# Altium PCB novena_evt1_a.PcbDoc (part 10 of 12) (continued)
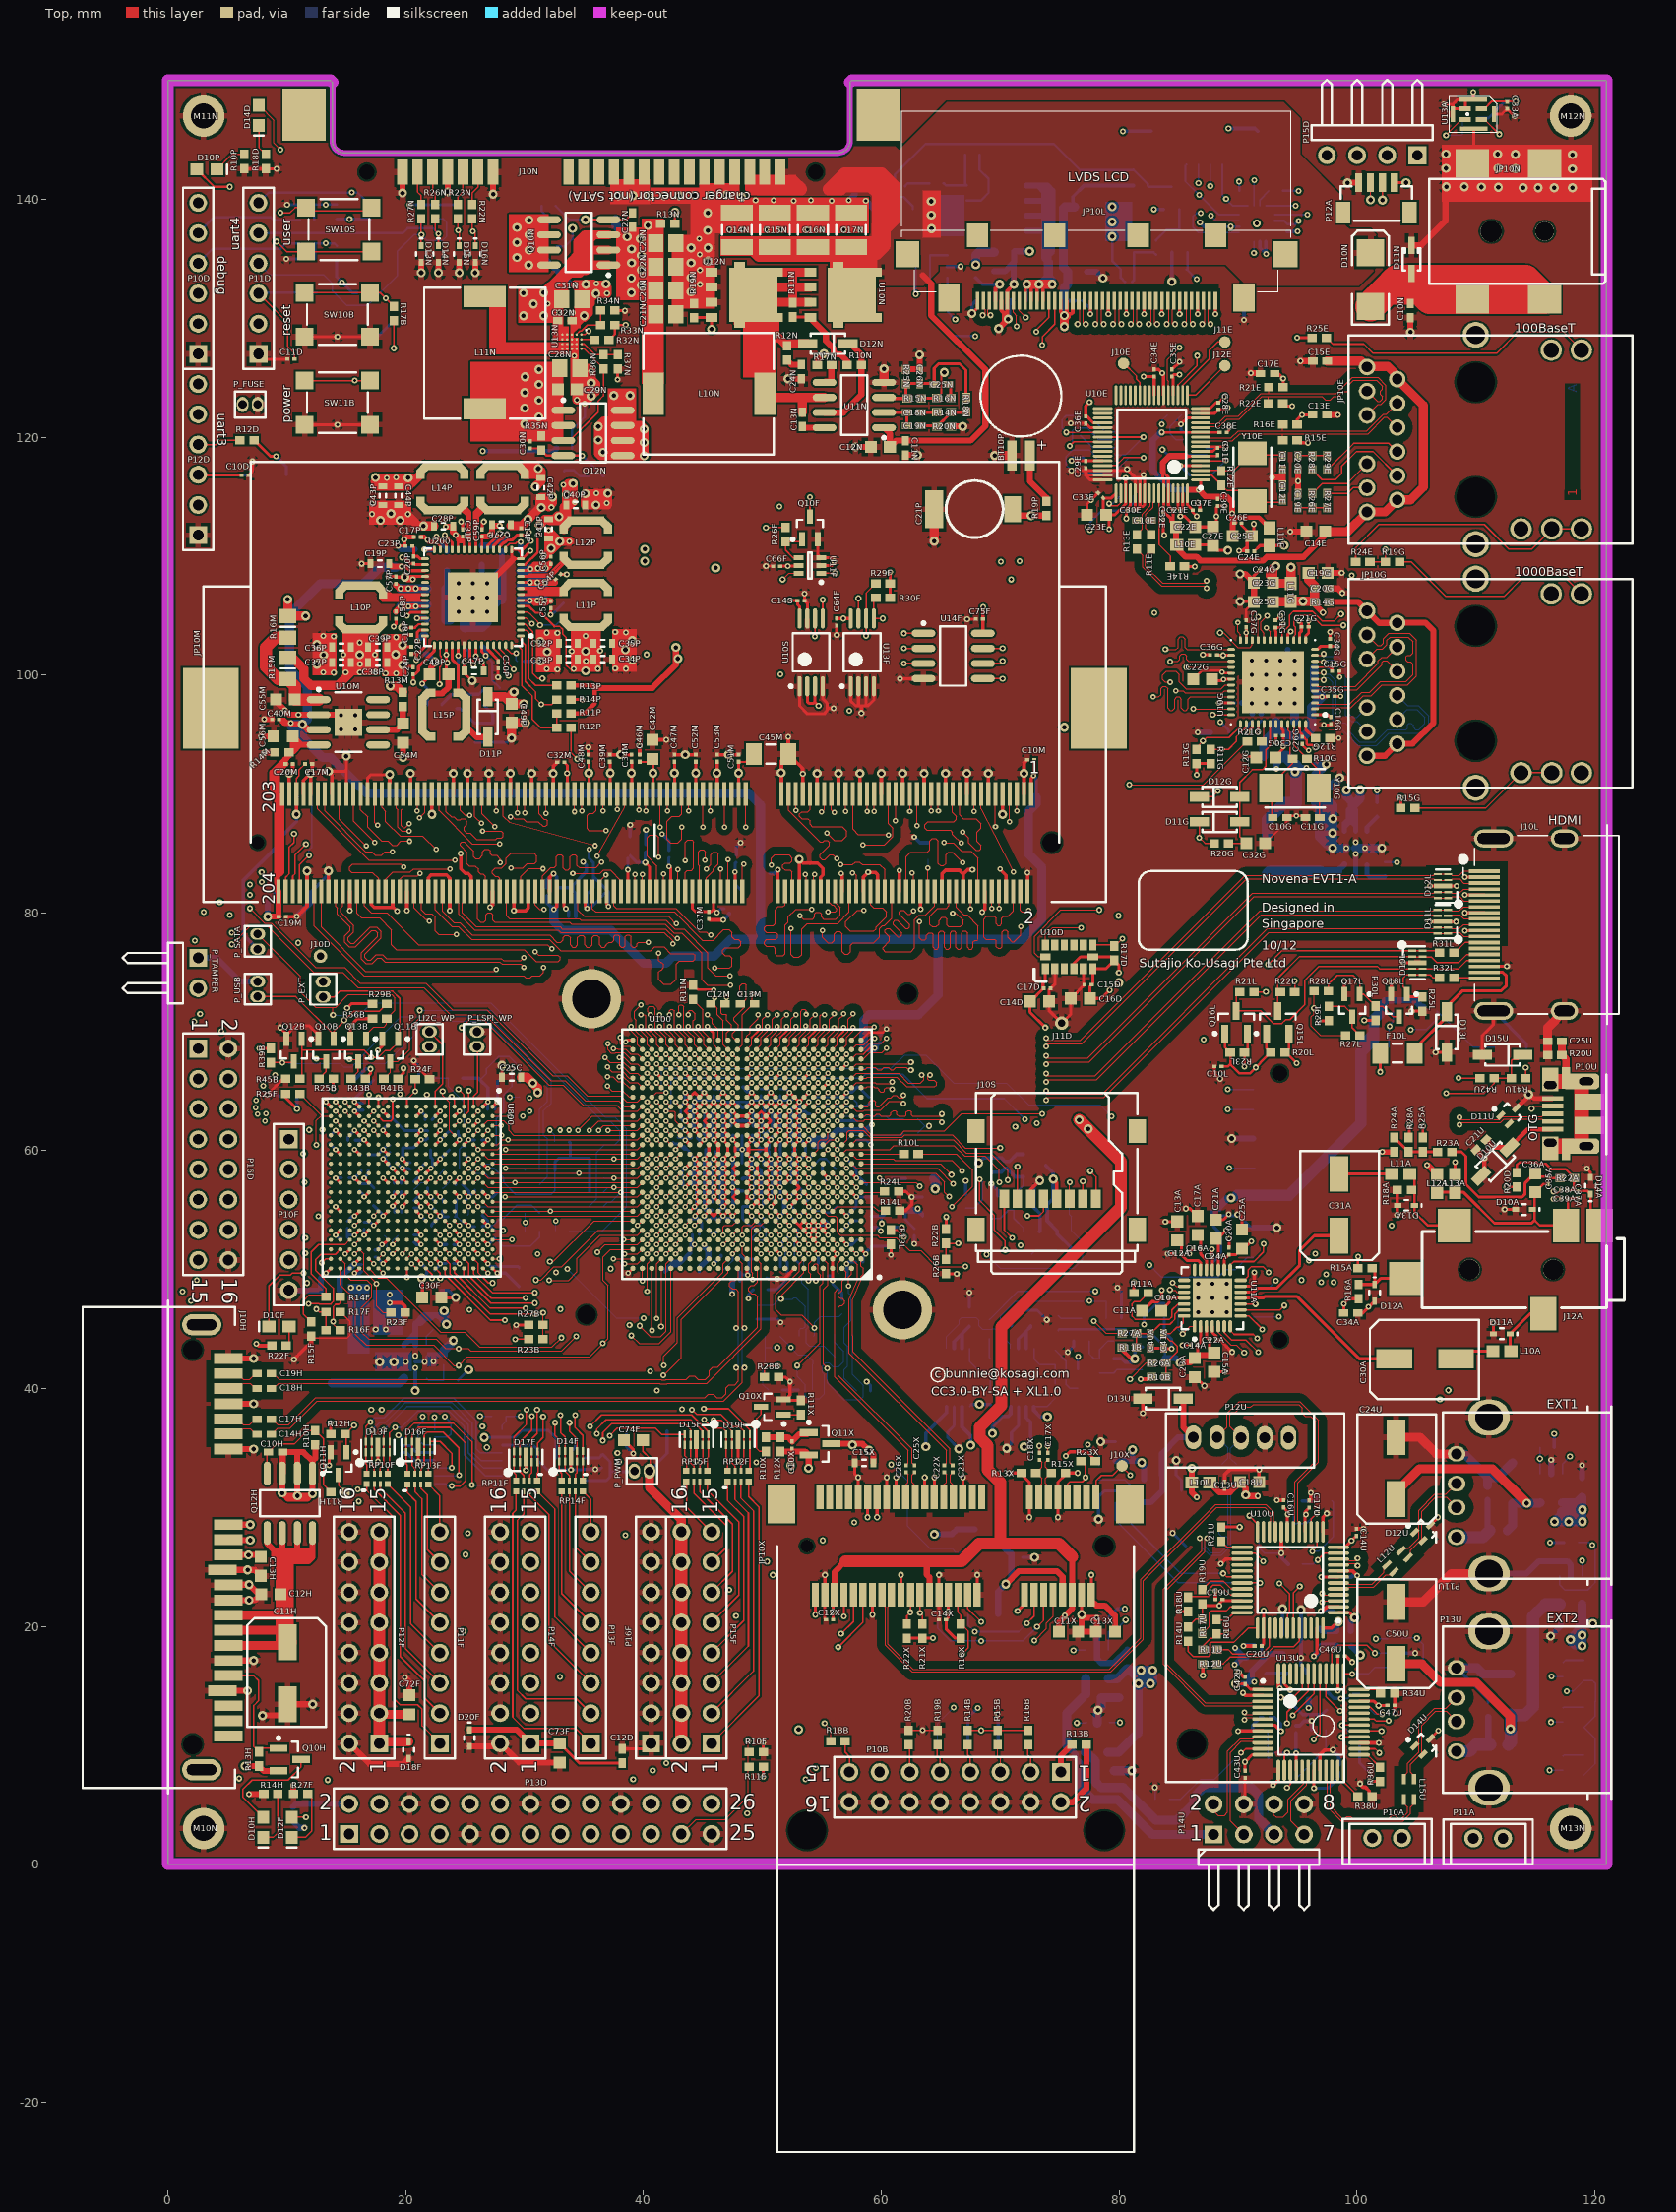
[diagram p0: Top view]
## Nets (pads, with @x,y where several pads share a name; then routed paths per layer and width w, separated by ;. In a path a pad name is that pad's centre, name@x,y a point inside that pad or via, vN(x,y) a via of type N, cw(c..) or ccw(c..) an arc to the next point about the centre after c; other vN are vias at no path point) (continued)
  Bot w0.203: v1(77.55,112.2) 77.55,112.825 78.525,113.8 80.55,113.8 81.3,114.55 R10E.1@81.3,115.05
  Bot w0.254: U15F.3@35,32.25 36.875,32.25 37.2,32.575 37.2,33 ; U15F.1@35,34.15 36.25,34.15 36.562,34.462 37.2,33.825 37.2,33 ; P_PWM.2@39.23,33.05 39.18,33 37.2,33
  Bot w0.305: U12A.6@66.783,38.474 66.783,36.767 C27A.2@67.2,36.35 67.525,36.025 v3(67.525,35.225) ; v3(72.025,35.1) 72.55,35.625 C18A.2@72.55,36.3 72.55,37.175 72.183,37.542 U10A.6@72.183,38.474
  Bot w0.381: U11G.4@98.95,86.85 98.95,87.175 ; 99.85,88.375 99.9,88.325 ; U11G.5@99.9,86.85 99.9,87.25 ; 98.95,87.175 99.4,87.625 99.4,87.75 ; 98.95,87.175 98.95,87.55 99.275,87.875 ; 99.275,87.875 99.275,88.675 C29G.1@99.6,89 ; 99.275,87.875 99.4,87.75 ; 99.4,87.75 99.9,87.25 ; C29G.1@99.6,89 99.6,87.875 99.9,87.575 ; C29G.1@99.6,89 99.9,88.7 99.9,88.325 ; 99.9,87.25 99.9,87.575 ; 99.9,87.575 99.9,88.325
  Bot w0.508: C13D.1@10.5,4.8 10.78,5.08 P13D.2@15.24,5.08 ; U10F.4@19.85,43.65 20.275,44.075 ; U10F.5@20.8,43.65 20.8,44.075 ; v3@23.25,45.6 23,45.85 ; v3(23.425,45.4) 23.425,46.325 v3(23.225,46.525) ; C26U.1@79.7,33.925 81.1,33.925 ; v3(81.125,34.85) 81.1,34.825 81.1,33.925 ; U12U.4@82.1,32.325 82.1,33.525 81.7,33.925 81.1,33.925 ; v1(95.95,13.125) R28U.1@95.95,13.85 ; R10U.1@99.525,18.3 99.575,18.3 v3(100.3,17.575) ; 20.275,44.075 20.8,44.075 ; 20.275,44.075 20.8,44.6 ; 20.8,44.075 20.8,44.6 ; 20.8,44.6 20.8,45.45 C65F.1@20.85,45.5 ; C65F.1@20.85,45.5 21.5,46.15 21.9,46.15 ; C65F.1@20.85,45.5 21.25,45.5 21.663,45.913 ; 21.663,45.913 22.063,45.913 R20F.2@22.3,46.15 ; 21.663,45.913 21.9,46.15 ; 21.9,46.15 R20F.2@22.3,46.15 ; R20F.2@22.3,46.15 22.7,46.15 ; 22.7,46.15 22.85,46.15 v3(23.225,46.525) ; 22.7,46.15 23,45.85 ; 23,45.85 23.225,46.075 v3(23.225,46.525)
  Bot w0.762: v3(67.95,134.5) U10L.4@67.95,135.3 68.2,135.55 C15L.1@69.5,135.55 ; U16U.4@79.05,9.4 79.95,9.4 81.6,11.05 C55U.1@81.6,14 81.6,15.65 C56U.1@80.95,16.3 ; U15U.4@79.1,15.6 79.85,15.6 C56U.1@80.7,16.45 ; v3(99.125,90.325) 99.125,89.8 99.6,89.325 C29G.1@99.6,89 99.65,89 100.275,89.625 v3(100.275,90.35) ; U11U.4@117.3,30.4 118.5,30.4 C22U.1@118.95,30.85 v3@118.95,29.825 ; v3@117.55,29.05 117.675,29.175 117.675,29.625 ; v3@117.8,28.775 v3(117.825,28.8) ; 118.5,18.875 v3@118.95,18.425 ; 118.55,29.225 118.5,29.275 118.5,29.325 ; U14U.4@118.95,21.85 C48U.1@118.95,20.225 ; v3(119.85,20.225) C48U.1@118.95,20.225 ; C56U.1@80.7,16.45 80.8,16.45 C56U.1@80.95,16.3 ; C56U.1@80.7,16.45 80.85,16.3 C56U.1@80.95,16.3 ; C56U.1@80.95,16.3 v3(81.85,16.3) ; v3@81.85,15.975 v3(82.65,15.175) ; v3@81.85,15.975 81.85,15.4 v3(81.625,15.175) v3(82.65,15.175) ; v3@81.85,15.975 v3(81.85,16.3) ; v3(81.85,16.3) v3(82.825,16.3) 82.825,15.35 v3(82.65,15.175) ; 117.675,29.625 117.675,29.95 118.075,29.95 118.1,29.975 118.1,29.7 117.875,29.475 117.725,29.625 117.675,29.625 ; 117.675,29.625 117.2,29.625 117.2,29.375 v3(116.625,28.8) v3(117.825,28.8) ; v3(117.825,28.8) v3@117.975,28.8 ; v3@117.975,28.8 v3(118.975,28.8) 118.95,28.825 v3@118.95,29.775 ; v3@117.975,28.8 118.5,29.325 ; 118.5,29.325 v3@118.95,29.775 ; 118.5,29.325 118.5,30.275 v3@118.95,29.825 ; v3@118.95,18.425 v3(118.95,18.35) 118.85,18.45 118.325,18.45 118.1,18.675 118.1,19.075 118.775,19.75 C48U.1@118.775,20.225 C48U.1@118.95,20.225 ; v3@118.95,18.425 C48U.1@118.95,20.225 ; v3@118.95,29.775 v3(118.975,29.8) v3@118.95,29.825 ; v3@118.95,29.775 v3@118.95,29.825
  other v3: 117.975,18.875 118.95,19.25 81.9,33.775 30.35,134.475 29.35,135.1 30.375,135.725 29.35,136.375 30.375,137.025 29.35,137.625 30.375,138.25
P5.0V_KBD: C52U.1 P14U.5 U16U.5 | length 23.5
  Bot w0.762: U16U.5@77.15,9.4 77.275,9.4 78,8.675 C52U.1@78,7.85 78,6.925 78.475,6.45 80.35,6.45 83.1,3.7 84.875,3.7 86.3,5.125 86.3,5.65 87.075,6.425 91.15,6.425 91.75,5.825 91.75,3.78 P14U.5@93.03,2.5
P5.0V_MOUSE: C51U.1 P14U.1 U15U.5 | length 23.1
  Bot w0.508: 75.925,9.65 76.325,9.25 76.325,8.925 76.7,8.55 76.7,8.05
  Bot w0.762: 75.925,9.65 75.6,9.975 75.6,12.7 C51U.1@76.9,14 77.2,14.3 U15U.5@77.2,15.6 ; 76.7,8.05 76.7,6.525 77.8,5.425 79.875,5.425 82.8,2.5 P14U.1@87.95,2.5
P5.0V_SATA: C11H.1 C12H.1 J10H.7 J10H.8 J10H.9 Q12H.5 Q12H.6 Q12H.7 Q12H.8 | length 40.6
  Top w0.508: Q12H.5@8.345,27.85 8.345,26.98 8.95,26.375 ; Q12H.6@9.615,27.85 9.615,26.375 ; Q12H.7@10.885,27.85 10.885,26.375 ; Q12H.8@12.155,27.85 12.155,26.33 ; 8.95,26.375 8.95,25.975 9.45,25.475 9.825,25.475 11.825,25.475 12.155,25.805 12.155,26.33 ; 8.95,26.375 9.45,25.875 ; 8.95,26.375 9.615,26.375 ; 9.45,25.875 9.615,26.04 9.615,26.375 ; 9.45,25.875 9.825,25.875 10.8,25.875 ; 9.615,26.375 10.885,26.375 ; 10.8,25.875 10.885,25.96 10.885,26.375 ; 10.8,25.875 11.7,25.875 12.155,26.33 ; 10.885,26.375 12.11,26.375 12.155,26.33
  Top w0.762: J10H.7@5.075,18.395 9.795,18.395 C11H.1@10.05,18.65 ; J10H.8@5.075,19.665 9.74,19.665 C11H.1@9.825,19.75 ; J10H.9@5.075,20.935 9.76,20.935 9.825,21
  Top w1.524: 9.825,25.875 9.825,25.475 9.825,21 9.825,19.75 9.825,18.875 C11H.1@10.05,18.65
P5.0V_SWBST: C49P.1 D11P.2 R25U.2 U200.44 | length 151
  Top w0.127: v1(22.85,99.225) 22.85,100.65 23.075,100.875 23.075,101.325 22.981,101.419 22.981,101.569 22.9,101.65 U200.44@22.9,102.5
  Top w0.762: D11P.2@26.9,98.175 28.3,98.175 C49P.1@28.9,97.575 ; v3@29.1,98.6 v3(29.1,98.575) 28.9,98.375 C49P.1@28.9,97.575 ; v3(29.925,97.575) C49P.1@28.9,97.575
  L3 w0.127: v1(22.85,99.225) 24.5,97.575 v3(29.925,97.575)
  L3 w0.762: v3(29.1,98.575) 29.45,98.925 39.025,98.925 41.225,101.125 41.225,102.825 42.125,103.725 43.2,103.725 44.625,102.3 44.625,100.075 51.3,93.4 70.2,93.4 72.4,95.6 v3(75.4,95.6)
  L4 w0.762: v3(75.4,95.6) 76.075,95.6 80.075,91.6 81.45,91.6 82.225,90.825 82.225,75.3 81.075,74.15 v3@80.025,74.15
  L7 w0.508: v2@48.925,47.55 50.175,47.55 50.4,47.775 50.925,47.775 52.95,49.8 58.55,49.8 59.2,50.45 62.85,50.45 68.65,56.25 70.85,56.25 71.375,56.775 71.375,57.8 70.65,58.525 70.65,59.025 71.1,59.475 77.45,59.475 79.985,62.01 v3(79.985,74.125)
  Bot w0.254: v2(48.825,47.55) 48.825,47.9 R25U.2@49.25,48.325
P5.0V_USBEXT1: C23U.1 L11U.2 P11U.1 | length 5.6
  Bot w0.508: C23U.1@111,30.65 111,28.2 L11U.2@111.15,28.05
  Bot w1.016: P11U.1@108.4,27.5 110.6,27.5 L11U.2@111.15,28.05
P5.0V_USBEXT2: C49U.1 L14U.2 P13U.1 | length 5.5
  Bot w0.508: C49U.1@111.05,12.4 111.05,10.25 L14U.2@111.25,10.05
  Bot w1.016: P13U.1@108.4,9.5 109.45,9.5 110,10.05 L14U.2@111.25,10.05
P5.0V_WIFI: C29U.1 C30U.1 D13U.1 P12U.1 U12U.5 | length 11.9
  Top w0.508: D13U.1@85.4,39.15 85.4,36.75 P12U.1@86.25,35.9
  Bot w0.508: U12U.5@82.1,30.425 82.65,30.425 C29U.1@83.65,31.425 83.65,32.675 C30U.1@83.6,32.725 83.6,34.525 84.975,35.9 P12U.1@86.25,35.9
PCIE_CLKREQ_N: JP10X.7 R23X.1 U100.U22 | length 82.8
  Top w0.102: v2(41.1,63.3) U100.U22@41.5,62.9
  Top w0.127: JP10X.7@75.655,30.85 75.655,31.955 75.85,32.15 76.9,32.15 77.175,32.425 77.175,33.5 R23X.1@76.8,33.875
  L7 w0.102: v1(40,45.925) 38.801,45.925 38.125,45.249 38.125,45 37.45,44.325 37.45,39.35 39.4,37.4 39.4,36.2 43.175,32.425 56.025,32.425 56.625,33.025 61.8,33.025 62.425,33.65 72.25,33.65 73.5,32.4 76.7,32.4 76.825,32.525 v1(77.175,32.525)
  L8 w0.102: v1(33.6,50.05) 33.6,51.35 36.85,54.6 36.85,59.425 38,60.575 38,61.325 39.575,62.9 40.7,62.9 v2(41.1,63.3)
  Bot w0.102: v1(33.6,50.05) 37.725,45.925 v1(40,45.925)
PCIE_PWRON: Q10X.1 R11X.1 | length 1.5
  Top w0.127: Q10X.1@51.8,37.8 R11X.1@53.25,37.8
PCIE_REFCLK_N: C17X.2 U100.C7 | length 34.3
  Top w0.083: U100.C7@53.5,51.7 v2(53.9,51.3) ; C17X.2@74,34.6 v1(74,35.175)
  L3 w0.089: v2(53.9,51.3) 53.9,50.9 54.075,50.725 54.075,50.45 53.925,50.3 53.65,50.3 53.5,50.45 53.275,50.45 52.7,49.875 52.7,49.375 52.925,49.15 52.925,48.7 52.7,48.475 52.7,45.7 60.925,37.475 72.725,37.475 73.825,36.375 v1@73.825,35.175
PCIE_REFCLK_P: C18X.2 U100.D7 | length 34.4
  Top w0.083: U100.D7@53.5,52.5 v2(53.9,52.1) ; C18X.2@73.3,34.6 v1(73.3,35.175)
  L3 w0.089: 53.5,51.15 53.5,51.7 v2(53.9,52.1) ; 53.502,51.148 52.366,50.013 52.366,45.562 60.787,37.141 72.587,37.141 73.491,36.237 v1@73.491,35.175
PCIE_REFCLKX_N: C17X.1 JP10X.11 R15X.1 | length 3.7
  Top w0.083: C17X.1@74,34 73.805,33.805 73.805,33.395 R15X.1@74.3,32.9 ; R15X.1@74.02,32.85 74.02,32.645 73.82,32.445 73.82,32.025 74.075,31.77 JP10X.11@74.075,30.75
PCIE_REFCLKX_P: C18X.1 JP10X.13 R13X.1 | length 4
  Top w0.083: R13X.1@73.255,32.645 R13X.1@73,32.9 73.5,33.4 73.5,33.8 C18X.1@73.3,34 ; JP10X.13@73.275,30.75 73.275,31.805 73.495,32.025 73.495,32.455 73.32,32.63 R13X.1@73.32,32.85
PCIE_REXT: R20X.2 U100.A2 | length 11.4
  Top w0.102: v2(57.25,48.625) 57.25,49.375 57.5,49.625 U100.A2@57.5,50.1
  Bot w0.102: v2(57.25,48.625) 57.25,48.025 57.45,47.825 57.45,45.725 56.875,45.15 56.875,43.825 57.15,43.55 57.15,41.875 56.875,41.6 56.875,40.825 R20X.2@57.9,39.8
PCIE_RST: JP10X.22 R16X.2 U100.J19 | length 63.6
  Top w0.102: v2(43.5,56.1) U100.J19@43.9,56.5
  Top w0.127: JP10X.22@66.455,22.65 66.455,21.17 66.7,20.925 R16X.2@66.7,20.2 66.725,20.2 67.325,19.6 67.325,18.2 v1(66.825,17.7)
  L3 w0.127: v2(43.5,56.1) 43.894,55.706 43.894,49.231 47.15,45.975 47.15,40.95 48.45,39.65 48.45,32.575 52.837,28.188 52.837,26.156 55.086,23.906 56.444,23.906 58.375,21.975 58.9,21.975 60.225,20.65 67.7,20.65 67.85,20.8 68.775,20.8 69.2,20.375 69.2,18.1 68.8,17.7 v1(66.825,17.7)
PCIE_RX_N: C21X.2 U100.B1 | length 21.2
  Top w0.083: 57.6,44.425 57.6,47.425 58.3,49.075 58.3,49.425 58.5,49.625 58.5,50.1 58.3,50.3 U100.B1@58.3,50.9 ; 57.603,44.425 57.603,43.097 65.775,34.925 65.775,33.72 C21X.2@66,33.55
PCIE_RX_P: C22X.2 U100.B2 | length 21.1
  Top w0.083: 57.298,44.425 57.298,42.971 65.47,34.799 65.47,33.72 C22X.2@65.3,33.55 ; 57.302,44.425 57.302,47.475 58,49.1 58,49.219 ; U100.B2@57.5,50.9 58,50.398 58,49.227
PCIE_RXX_N: C21X.1 JP10X.23 | length 2.3
  Top w0.083: C21X.1@66,32.95 65.8,32.75 65.8,32.125 66.055,31.87 JP10X.23@66.055,30.85
PCIE_RXX_P: C22X.1 JP10X.25 | length 2.3
  Top w0.083: JP10X.25@65.255,30.85 65.255,31.905 65.475,32.125 65.475,32.775 C22X.1@65.3,32.95
PCIE_TX_N: C25X.2 U100.A3 | length 20.3
  Top w0.083: U100.A3@56.7,50.1 57.025,49.775 57.025,49.375 56.703,49.053 56.703,48.272 56.4,47.969 56.4,47.7 56.525,47.575 56.7,47.575 56.925,47.35 56.925,47.175 56.725,46.975 56.55,46.975 56.4,46.825 56.4,41.1 62.575,34.925 62.575,33.72 C25X.2@62.8,33.55
PCIE_TX_P: C26X.2 U100.B3 | length 20.3
  Top w0.083: U100.B3@56.7,50.9 56.319,50.519 56.319,49.779 56.398,49.7 56.398,49.075 56.398,48.398 56.095,48.095 56.095,40.974 62.27,34.799 62.27,33.72 C26X.2@62.1,33.55
PCIE_TXX_N: C25X.1 JP10X.31 | length 2.3
  Top w0.083: C25X.1@62.8,32.95 62.6,32.75 62.6,32.125 62.855,31.87 JP10X.31@62.855,30.85
PCIE_TXX_P: C26X.1 JP10X.33 | length 2.3
  Top w0.083: JP10X.33@62.055,30.85 62.055,31.905 62.275,32.125 62.275,32.775 C26X.1@62.1,32.95
PCIE_WAKE: J10X.1 JP10X.1 U100.E23 | length 69.5
  Top w0.102: v2(40.3,52.9) U100.E23@40.7,53.3
  Top w0.127: JP10X.1@78.055,30.85 78.055,32.23 78.525,32.7 79.45,32.7 J10X.1@80.25,33.5 80.25,33.425 v1(80.95,32.725)
  L7 w0.102: v2(40.3,52.9) 39.125,51.725 39.125,50.661 38.545,50.081 38.542,50.081 38.319,49.858 38.319,49.855 37.819,49.355 37.819,45.127 37.144,44.452 37.144,39.223 39.094,37.273 39.094,36.073 43.048,32.119 62.325,32.119 63.575,33.369 72.133,33.369 73.383,32.119 77.719,32.119 78.325,32.725 v1(80.95,32.725)
PCIE_WDIS_N: JP10X.20 U100.F24 | length 58.6
  Top w0.102: v2(39.5,53.7) U100.F24@39.9,54.1
  Top w0.127: JP10X.20@67.255,22.65 67.255,21.52 v1(68.4,20.375)
  L3 w0.127: v2(39.5,53.7) 38.855,53.7 37.85,52.695 37.85,52.325 38.2,51.975 39.068,51.975 40.418,50.625 41.883,50.625 46.8,45.708 46.8,40.85 48.125,39.525 48.125,36.275 47.386,35.536 47.386,33.261 52.608,28.039 52.608,26.061 55.019,23.65 56.26,23.65 58.4,21.51 58.4,20.96 58.985,20.375 v1(68.4,20.375)
PCIE_WLAN_LED: D11X.2 R18X.2 | length 1.8
  Bot w0.127: R18X.2@117.35,9.1 117.45,9.2 D11X.2@119.1,9.2
PCIE_WPAN_LED: D12X.2 R19X.2 | length 1.8
  Bot w0.127: R19X.2@117.35,16.95 117.55,17.15 D12X.2@119.1,17.15
PCIE_WWAN_LED: D10X.2 R17X.2 | length 1.8
  Bot w0.127: R17X.2@117.35,13.15 117.4,13.2 D10X.2@119.1,13.2
PMIC_INT_B: R14P.1 U100.V24 U200.1 | length 58.2
  Top w0.102: v1(24.7,70.35) 25.4,71.05 26.484,71.05 32.034,65.5 33.259,65.5 34.959,63.8 37.734,63.8 38.234,63.3 39.5,63.3 U100.V24@39.9,63.7
  Top w0.127: U200.1@29.675,103.275 29.675,102.9 30.05,102.525 30.05,99.45 30.937,98.563 30.937,97.988 v1(31.4,97.525) 32.3,97.525 R14P.1@32.7,97.925
  L7 w0.102: v1(24.7,70.35) 24.7,71.975 25.9,73.175 25.9,87.95 26.125,88.175 26.125,93.554 27.825,95.254 27.825,95.975 28.625,96.775 31.039,96.775 31.4,97.136 v1@31.4,97.56
PMIC_ON_REQ: R12P.2 U100.D11 | length 69.5
  Top w0.102: U100.D11@50.3,52.5 v2(50.7,52.1)
  Top w0.127: R12P.2@33.9,95.55 33.9,93.475 v1(34.425,92.95)
  L8 w0.127: v1@34.275,92.95 v1(34.425,92.95) 36.45,92.95 36.85,92.55 49.8,92.55 50.275,92.075 50.275,88.725 55.325,83.675 55.325,82.65 57.325,80.65 57.325,75.825 58.725,74.425 58.725,68.325 56.5,66.1 52.075,66.1 51.9,65.925 51.9,52.7 51.7,52.5 51.1,52.5 v2(50.7,52.1)
PMIC_PWRON: R11P.1 R12P.1 U200.56 | length 10.8
  Top w0.127: U200.56@28.9,102.5 29.4,102.5 29.75,102.15 29.75,99.125 30.65,98.225 30.65,96.275 31.375,95.55 R12P.1@32.7,95.55 R11P.1@32.7,96.75
PMIC_SDWNB: R13P.1 U200.2 | length 7.2
  Top w0.127: U200.2@29.675,103.775 30.125,103.775 30.325,103.575 30.325,99.725 30.925,99.125 R13P.1@32.7,99.125
PMIC_STBY_REQ: U100.F11 U200.4 | length 162.2
  Top w0.102: v2(49.175,49.175) 49.175,49.675 49.077,49.773 49.077,52.656 49.075,52.659 49.075,52.975 49.077,52.977 49.077,53.411 49.366,53.7 49.9,53.7 U100.F11@50.3,54.1
  Top w0.127: U200.4@29.675,104.775 30.15,104.775 v1(30.6,104.325)
  L3 w0.102: v2(49.175,49.175) 48.275,48.275 48.275,46.425 49.225,45.475 49.225,34.025 v1(49.475,33.775)
  L4 w0.102: v1@1.2,48.125 v1(1.225,48.15) 5.775,48.15 12.55,41.375 12.55,37.175 14.675,35.05 21.9,35.05 25.325,38.475 27.675,38.475 29.25,36.9 31.75,36.9 32.1,37.25 32.1,37.85 32.6,38.35 39.45,38.35 41.425,36.375 46.875,36.375 v1(49.475,33.775)
  L7 w0.102: v1(1.225,48.15) 0.75,48.625 0.75,79.545 1.425,80.22 1.425,86.37 5.83,90.775 14.451,90.775 18.876,95.2 25.826,95.2 26.45,95.824 26.45,100.175 v1@30.625,104.35
RAW_PWR: C10N.1 D10N.1 D11N.2 JP10N.1 | length 29.8
  Top w2.54: D10N.1@101.15,131 102.55,132.4 ; 102.55,132.4 105.35,132.4 106.15,131.6 JP10N.1@109.7,131.6 JP10N.1@115.8,131.6 114.2,133.2 103.35,133.2 102.55,132.4
REG5V_BST: C13N.1 U11N.8 | length 1.9
  Top w0.508: C13N.1@53.35,120.9 53.455,120.795 U11N.8@55.225,120.795
REG5V_COMP: C18N.1 C19N.1 U11N.2 | length 3.1
  Top w0.254: U11N.2@60.225,122.065 62.14,122.065 C18N.1@62.15,122.075 C19N.1@62.15,120.95
REG5V_FBK: C25N.2 C26N.1 R15N.1 R18N.2 R25N.2 U11N.3 | length 12.4
  Top w0.254: U11N.3@60.225,123.335 60.31,123.25 R15N.1@62.175,123.25 62.075,123.35 R25N.2@62.075,124.5 64.375,124.5 C25N.2@64.45,124.425 64.45,125.8 64.825,126.175 66.575,126.175 67.125,125.625 R18N.2@67.125,123.325
REG5V_HSDR: D12N.2 R10N.1 U11N.7 | length 8.6
  Top w0.508: U11N.7@55.225,122.065 55.24,122.05 56.8,122.05 58.325,123.575 R10N.1@58.325,126.05 58.325,126.925 57.4,127.85 D12N.2@57.2,127.85
REG5V_LSDR: R17N.1 U11N.5 | length 2
  Top w0.508: U11N.5@55.225,124.605 55.295,124.675 55.8,124.675 55.8,126.025 R17N.1@55.825,126.05
REG5V_VSW: C13N.2 D12N.1 L10N.1 R11N.2 R12N.2 U10N.1 U10N.2 U10N.3 U11N.6 U12N.5 U12N.6 U12N.7 U12N.8 U12N.9 | length 30.2
  Top w0.762: L10N.1@50.225,123.65 50.54,123.335 53.3,123.335 ; R11N.2@52.55,131.3 R11N.2@52.55,131.34 ; C13N.2@53.35,122.1 53.35,123.285 53.3,123.335 ; D12N.1@53.8,127.85 52.25,127.85 R12N.2@52.075,127.675 51.05,128.7 51.05,130.147 U12N.9@49.857,131.34 ; U10N.3@54.03,131.34 R11N.2@52.55,131.34 ; U10N.2@54.03,132.61 52.55,132.61 ; U10N.1@54.03,133.88 52.4,133.88 ; U11N.6@55.225,123.335 53.3,123.335 ; U12N.9@49.857,131.34 R11N.2@52.55,131.34 ; U12N.9@49.857,131.34 U12N.9@49.222,131.975 U12N.9@49.857,132.61 ; U12N.9@49.857,132.61 52.55,132.61 ; U12N.9@49.857,132.61 51.127,133.88 U12N.7@51.488,133.88 52.4,133.88 ; 52.4,133.88 52.55,133.73 52.55,132.61 ; R11N.2@52.55,131.34 52.55,132.61
RESETBMCU: C10B.1 Q10F.3 R17B.1 R18B.2 SW10B.3 SW10B.4 U10U.26 U13N.A1 U13U.26 U100.C11 U200.3 U800.K18 | length 362.3
  Top w0.102: U100.C11@50.3,51.7 v2(50.7,51.3) ; v1(55.225,11.85) 55.75,11.325 R18B.2@55.75,10.35
  Top w0.127: SW10B.3@11.5,132.15 SW10B.4@17,132.15 17.85,132.15 R17B.1@19,131 ; v1(20.1,49.35) U800.K18@20.1,50.1 ; U200.3@29.675,104.275 30.05,104.275 30.675,103.65 30.675,100.125 31.1,99.7 v1(31.5,99.7) ; U13N.A1@34.775,128.625 35.075,128.625 v1(35.375,128.925) ; Q10F.3@54,113.3 v1(54,114.955) ; U10U.26@90.35,26.15 91.45,26.15 v1(92.125,25.475) ; U13U.26@100.2,9.7 101.55,9.7 v1(101.9,9.35)
  L3 w0.102: v2(50.7,51.3) 51.275,50.725 51.275,49.975 51.675,49.575 51.675,48.775 51.169,48.269 51.169,47.181 51.2,47.15 51.2,45.95 51.125,45.875 51.125,45.325 51.925,44.525 51.925,42.25 53.225,40.95 53.225,35.875 57.725,31.375 v1(57.725,28.75)
  L3 w0.127: v1(11.5,57.325) 9.725,57.325 8.625,56.225 8.625,50.525 9.475,49.675 10.8,49.675 11.2,49.275 11.3,49.275 v1(11.7,48.875) 12.1,49.275 18.65,49.275 18.725,49.35 v1(20.1,49.35) ; v1(18.325,131.675) 21.075,128.925 v1(35.375,128.925)
  L4 w0.102: 56.625,11.85 57.725,12.95 v1(57.725,28.75)
  L4 w0.127: v1(20.1,49.35) 21.95,47.5 23.225,47.5 27.025,43.7 31.725,43.7 32.044,43.381 36.749,43.381 37.25,43.882 44.807,43.882 47.525,46.6 48.9,46.6 49.525,47.225 49.525,47.25 49.75,47.475 49.75,50.35 v2(50.7,51.3) ; v1(55.225,11.85) 56.625,11.85 58.675,9.8 58.675,3.875 59.825,2.725 74.45,2.725 78.675,6.95 89.95,6.95 90.65,7.65 100.2,7.65 v1(101.9,9.35) 99.275,9.35 97.025,11.6 97.025,13.975 92.825,18.175 92.825,24.775 v1(92.125,25.475)
  L7 w0.102: v1(2.419,49.094) 1.625,49.887 1.625,79.183 2.3,79.858 2.3,86.008 6.192,89.9 15.026,89.9 19.301,94.175 26.251,94.175 27.475,95.399 27.475,96.05 29.775,98.35 30.539,98.35 31.5,99.311 v1@31.5,99.735
  L8 w0.127: v1(2.419,49.094) 2.425,49.1 4.375,49.1 4.65,49.375 10.575,49.375 10.8,49.15 11.425,49.15 v1(11.7,48.875) ; v1(31.5,99.7) 32.625,99.7 33.275,100.35 33.275,102.525 38.075,107.325 40.925,107.325 42.575,108.975 42.575,115.925 ; v1(35.375,128.925) 35.375,126.8 33.45,124.875 33.45,118.65 35.125,116.975 37.025,116.975 38.075,115.925 42.575,115.925 ; v1(54,114.955) 53.03,115.925 42.575,115.925
  Bot w0.127: v1(18.325,131.675) 18.9,131.1 C10B.1@18.9,130.9
RGMII_INT: R11G.1 U10G.38 U100.P5 U100.V21 | length 192.7
  Top w0.102: v2(41.9,64.1) U100.V21@42.3,63.7 ; U100.P5@55.1,60.5 55.262,60.5 55.662,60.9 v2(56.3,60.9)
  Top w0.127: R11G.1@87.7,93.75 v1(88.65,93.75) 89.2,93.75 89.85,94.4 89.85,94.8 90.7,95.65 U10G.38@90.7,95.875
  L3 w0.102: v1(7.875,83.425) 9.047,82.253 12.134,82.253 15.184,79.203 16.288,79.203 23.881,71.61 23.881,69.16 25.213,67.828 26.587,67.828 27.487,68.728 29.584,68.728 33.084,65.228 35.935,65.228 36.516,65.809 38.141,65.809 38.631,65.319 42.02,65.319 43.1,64.239 43.1,63.8 42.85,63.55 42.7,63.55 ; v2(41.9,64.1) 42.15,64.1 42.7,63.55 ; v2(56.3,60.9) 56.3,61.439 55.639,62.1 43.225,62.1 42.7,62.625 42.7,63.55
  L4 w0.127: v1(7.875,83.425) 7.875,83.95 5.675,86.15 5.675,104.95 15.975,115.25 26.585,115.25 29.81,118.475 32.09,118.475 33.39,117.175 37.39,117.175 44.24,110.325 52.515,110.325 55.54,107.3 59.24,107.3 63.3,103.24 63.3,100.04 66.815,96.525 77.55,96.525 80.325,93.75 v1(88.65,93.75)
RGMII_MDC: U10G.36 U100.V20 | length 171.9
  Top w0.102: v2(42.7,64.1) U100.V20@43.1,63.7
  Top w0.127: v1(87.875,96.65) U10G.36@89.425,96.65
  L3 w0.102: v1@6.8,82.425 7.175,82.05 12.05,82.05 15.1,79 16.204,79 23.678,71.525 23.678,69.075 25.129,67.625 26.671,67.625 27.571,68.525 29.5,68.525 33,65.025 39.8,65.025 40.325,64.5 42.3,64.5 v2(42.7,64.1)
  L4 w0.127: v1(6.9,82.375) 6.9,83.99 5.025,85.865 5.025,105.219 15.706,115.9 26.315,115.9 29.54,119.125 32.36,119.125 33.662,117.823 37.662,117.823 44.51,110.975 52.785,110.975 55.81,107.95 59.51,107.95 63.95,103.51 63.95,100.31 67.085,97.175 78.55,97.175 79.95,95.775 87,95.775 v1(87.875,96.65)
RGMII_MDIO: R13G.1 U10G.37 U100.V23 | length 172.3
  Top w0.102: v2(40.3,64.1) U100.V23@40.7,63.7
  Top w0.127: R13G.1@86.5,93.75 86.5,93.875 87.35,94.725 89.25,94.725 90.2,95.675 U10G.37@90.2,95.875
  L3 w0.102: v1(6.9,81.5) 7.2,81.8 11.946,81.8 14.996,78.75 16.1,78.75 23.428,71.422 23.428,68.972 25.025,67.375 26.775,67.375 27.675,68.275 29.396,68.275 32.896,64.775 39.625,64.775 v2(40.3,64.1)
  L4 w0.127: v1(6.9,81.5) 7.35,81.95 7.35,84 5.35,86 5.35,105.085 15.84,115.575 26.45,115.575 29.675,118.8 32.225,118.8 33.525,117.5 37.525,117.5 44.375,110.65 52.65,110.65 55.675,107.625 59.375,107.625 63.625,103.375 63.625,100.175 66.95,96.85 78,96.85 80.4,94.45 v1(87.05,94.45)
RGMII_NRST: D12G.2 U100.D25 | length 191.9
  Top w0.102: v2(38.325,52.5) U100.D25@39.1,52.5
  Top w0.127: D12G.2@86.75,89.75 87.825,89.75 v1(88.325,90.25)
  L3 w0.102: v1(7.9,82.6) 7.5,83 6.7,83 6.4,82.7 6.4,81.25 6.575,81.075 7.325,81.075 7.847,81.597 11.862,81.597 14.912,78.547 16.016,78.547 23.225,71.338 23.225,68.888 24.941,67.172 26.859,67.172 27.759,68.072 29.312,68.072 32.812,64.572 39.103,64.572 39.956,63.719 42.02,63.719 42.281,63.458 42.281,52.742 42.039,52.5 v2(38.325,52.5)
  L4 w0.127: v1(7.9,82.6) 8.475,83.175 8.475,86.475 6,88.95 6,104.815 16.11,114.925 26.719,114.925 29.944,118.15 31.956,118.15 33.256,116.85 37.256,116.85 44.106,110 52.381,110 55.406,106.975 59.106,106.975 62.975,103.106 62.975,99.906 66.681,96.2 77.15,96.2 80.95,92.4 87.325,92.4 88.325,91.4 v1(88.325,90.25)
RGMII_NRST_LOCAL: C32G.1 D11G.1 D12G.1 R20G.1 U10G.42 | length 13.3
  Top w0.127: R20G.1@89.2,85.85 C32G.1@90.7,85.85 90.15,86.4 D11G.1@90.15,87.65 D12G.1@90.15,89.75 90.15,90.975 91.2,92.025 92.05,92.025 92.35,92.325 92.35,93.7 92.7,94.05 U10G.42@92.7,95.875
RGMII_REF_CLK: R21G.2 U100.V22 | length 111.8
  Top w0.096: v2(41.1,64.1) U100.V22@41.5,63.7 ; v1(80.875,90.775) 87.075,90.775 R21G.2@90.8,94.5
  L8 w0.096: v2(41.1,64.1) 41.5,63.7 42.035,63.7 42.322,63.412 42.322,60.997 42.841,60.478 42.857,60.478 43.078,60.257 43.078,59.943 42.812,59.678 42.543,59.678 42.322,59.457 42.322,55.143 42.543,54.922 42.578,54.922 42.6,54.9 43.175,54.9 43.9,54.175 43.9,50.725 47.2,47.425 47.2,44.925 51.075,41.05 51.525,41.05 51.975,41.5 52.85,41.5 53.3,41.05 53.85,41.05 54.2,41.4 54.9,41.4 55.25,41.05 56.126,41.05 56.295,41.22 56.295,41.816 56.465,41.985 56.691,41.985 56.861,41.816 56.861,40.781 57.03,40.612 57.262,40.612 57.7,41.05 61.75,41.05 80.875,60.175 v1(80.875,90.775)
RGMII_REFCLK_T: R21G.1 U10G.41 | length 1.2
  Top w0.096: R21G.1@92.2,94.7 U10G.41@92.2,95.875
RGMII_RXCLK: U10G.35 U100.B25 | length 111.2
  Top w0.096: v2(37.45,50.9) U100.B25@39.1,50.9 ; v1(86.25,97.15) U10G.35@89.425,97.15
  L8 w0.096: v2(37.45,50.9) 37.9,50.45 37.9,49.875 38.7,49.075 38.7,47.528 39.628,46.6 41.519,46.6 42.681,45.438 42.681,41.294 48.094,35.881 63.041,35.881 85.553,58.393 85.553,96.453 v1(86.25,97.15)
RGMII_RXD0: U10G.32 U100.C24 | length 111.8
  Top w0.096: v2(38.425,51.3) 39.5,51.3 U100.C24@39.9,51.7 ; v2(84.762,98.65) 84.787,98.675 85.375,98.675 85.55,98.5 88.7,98.5 88.85,98.65 U10G.32@89.425,98.65
  L8 w0.096: v2(38.425,51.3) 39.5,50.225 39.5,47.859 39.959,47.4 41.85,47.4 43.481,45.769 43.481,41.509 48.309,36.681 62.71,36.681 84.762,58.733 v2(84.762,98.65)
RGMII_RXD1: U10G.31 U100.B23 | length 111.1
  Top w0.096: v2(40.3,48.175) 40.3,50.5 U100.B23@40.7,50.9 ; v1(84.3,99.4) 83.85,99.4 83.65,99.6 83.65,100 83.975,100.325 84.775,100.325 85.075,100.025 85.075,99.4 85.65,98.825 88.575,98.825 88.9,99.15 U10G.31@89.425,99.15
  L8 w0.096: v2(40.3,48.175) 42.171,48.175 44.256,46.09 44.256,41.83 48.63,37.456 62.389,37.456 83.987,59.054 83.987,99.087 v1(84.3,99.4)
RGMII_RXD2: U10G.28 U100.B24 | length 113.4
  Top w0.096: v2(38.425,50.5) 39.5,50.5 U100.B24@39.9,50.9 ; v1(85.675,100.65) U10G.28@89.425,100.65
  L8 w0.096: v2(38.425,50.5) 38.7,50.225 38.925,50.225 39.1,50.05 39.1,47.694 39.794,47 41.684,47 43.081,45.604 43.081,41.343 48.143,36.281 62.875,36.281 85.162,58.567 85.162,100.137 v1(85.675,100.65)
RGMII_RXD3: U10G.27 U100.D23 | length 111.1
  Top w0.096: v2(40.3,52.1) U100.D23@40.7,52.5 ; v1(84.3,101.125) 84.325,101.15 84.941,101.15 85.114,101.323 85.114,101.592 85.287,101.766 85.519,101.766 85.692,101.592 85.692,101.323 85.866,101.15 U10G.27@89.425,101.15
  L8 w0.096: v2(40.3,52.1) 39.9,51.7 39.9,50.234 41.64,48.494 42.303,48.494 44.575,46.223 44.575,41.962 48.762,37.775 62.256,37.775 83.667,59.186 83.667,100.492 v1(84.3,101.125)
RGMII_RXDV: U10G.33 U100.D22 | length 111.1
  Top w0.096: v2(41.1,52.1) U100.D22@41.5,52.5 ; v2(82.867,98.15) 83.341,98.15 83.514,98.323 83.514,98.883 83.687,99.056 83.919,99.056 84.092,98.883 84.092,97.2 84.266,97.027 84.497,97.027 84.67,97.2 84.67,97.977 84.844,98.15 85.075,98.15 85.248,97.977 85.248,97.2 85.422,97.027 85.653,97.027 85.826,97.2 85.826,97.977 86,98.15 U10G.33@89.425,98.15
  L8 w0.096: v2(41.1,52.1) 40.7,51.7 40.7,50.566 41.971,49.294 42.635,49.294 45.375,46.554 45.375,42.294 49.094,38.575 61.925,38.575 82.867,59.517 v2(82.867,98.15)
RGMII_TXCLK: U10G.24 U100.D21 | length 111
  Top w0.096: v2(41.9,52.1) U100.D21@42.3,52.5 ; v2(89.975,104.4) 89.975,103.625 90.2,103.4 U10G.24@90.2,102.925
  L8 w0.096: v2(41.9,52.1) 41.5,51.7 41.5,50.897 42.303,50.094 42.966,50.094 43.404,49.656 43.619,49.656 43.806,49.469 43.806,49.254 46.175,46.885 46.175,42.625 49.425,39.375 61.594,39.375 82.067,59.849 82.067,102.083 84.384,104.4 v2(89.975,104.4)
RGMII_TXD0: U10G.19 U100.C22 | length 112.6
  Top w0.096: v2(41.1,51.3) U100.C22@41.5,51.7 ; v2(92.375,103.975) 92.7,103.65 U10G.19@92.7,102.925
  L8 w0.096: v2(41.1,51.3) 41.1,50.731 42.137,49.694 42.8,49.694 45.775,46.72 45.775,42.459 49.259,38.975 61.759,38.975 82.467,59.683 82.467,101.917 84.55,104 v2@92.375,104
RGMII_TXD1: U10G.20 U100.F20 | length 113
  Top w0.096: v2(42.7,53.7) U100.F20@43.1,54.1 ; U10G.20@92.2,102.925 92.2,103.525 91.925,103.8 91.925,104.45 v1(92.45,104.975)
  L8 w0.096: v2(42.7,53.7) 43.1,53.3 43.1,50.975 46.892,47.183 46.892,44.683 51.483,40.092 61.296,40.092 81.35,60.146 81.35,102.38 84.27,105.3 92.125,105.3 v1(92.45,104.975)
RGMII_TXD2: U10G.21 U100.E21 | length 112
  Top w0.096: v2(41.9,52.9) U100.E21@42.3,53.3 ; U10G.21@91.7,102.925 v1(91.7,104.875)
  L8 w0.096: v2(41.9,52.9) 42.3,52.5 42.3,50.775 42.625,50.45 43.113,50.45 46.531,47.033 46.531,44.544 51.344,39.731 61.446,39.731 81.712,59.996 81.712,102.23 84.356,104.875 v1(91.7,104.875)
RGMII_TXD3: U10G.22 U100.A24 | length 113
  Top w0.096: v2(39.9,49.05) U100.A24@39.9,50.1 ; v1(88.5,103.55) 88.775,103.55 90,102.325 91.025,102.325 91.2,102.5 U10G.22@91.2,102.925
  L8 w0.096: v2(39.9,49.05) 39.9,48.025 40.15,47.775 42.041,47.775 43.881,45.935 43.881,41.675 48.475,37.081 62.544,37.081 84.362,58.898 84.362,98.812 84.8,99.25 84.8,100.425 87.925,103.55 v1(88.5,103.55)
RGMII_TXEN: U10G.25 U100.C23 | length 111.1
  Top w0.096: v2(40.3,51.3) U100.C23@40.7,51.7 ; v1(83.9,102.15) 84.791,102.15 84.964,102.323 84.964,103.03 85.137,103.204 85.369,103.204 85.542,103.03 85.542,102.323 85.716,102.15 U10G.25@89.425,102.15
  L8 w0.096: v2(40.3,51.3) 40.3,50.4 41.806,48.894 42.469,48.894 44.975,46.388 44.975,42.128 48.928,38.175 62.091,38.175 83.267,59.352 83.267,101.517 v1(83.9,102.15)
RTC_XTALI: C13B.1 R34B.1 U100.D9 Y11B.2 | length 16.6
  Top w0.102: U100.D9@51.9,52.5 v2(52.3,52.1)
  L4 w0.102: v1(51.25,43.45) 50.25,44.45 50.25,49.775 51,50.525 51.575,50.525 51.919,50.869 51.919,51.458 51.925,51.464 51.925,51.725 v2(52.3,52.1)
  Bot w0.102: R34B.1@50.25,44.4 50.25,43.45 ; C13B.1@50.5,39.875 50.05,40.325 50.05,42.075 50.25,42.275 50.25,43.45 ; v1(51.25,43.45) 50.25,43.45
RTC_XTALO: C14B.1 R34B.2 U100.C9 Y11B.1 | length 14.6
  Top w0.102: U100.C9@51.9,51.7 v2(52.3,51.3)
  L4 w0.102: v2(52.3,51.3) 52.3,50.55 52.4,50.45 v2(52.4,43.45)
  Bot w0.102: R34B.2@51.45,44.4 v2(52.4,43.45) 53,42.85 53.7,42.85 54.25,42.3 54.25,42.075 54.225,42.05 C14B.1@54.225,39.875